# Altium PCB PowerBoardController.PcbDoc (part 2 of 2)
Units mil, origin at the board's own origin, x right, y up, seen from the top; angles counter-clockwise.
Board outline 4724.41 x 3149.61 mil, 4 copper layers (Top Layer, GND, 3.3V, Bottom Layer), stack 35.6 mil thick; 198 components, 165 nets, 695 pads, 168 vias.
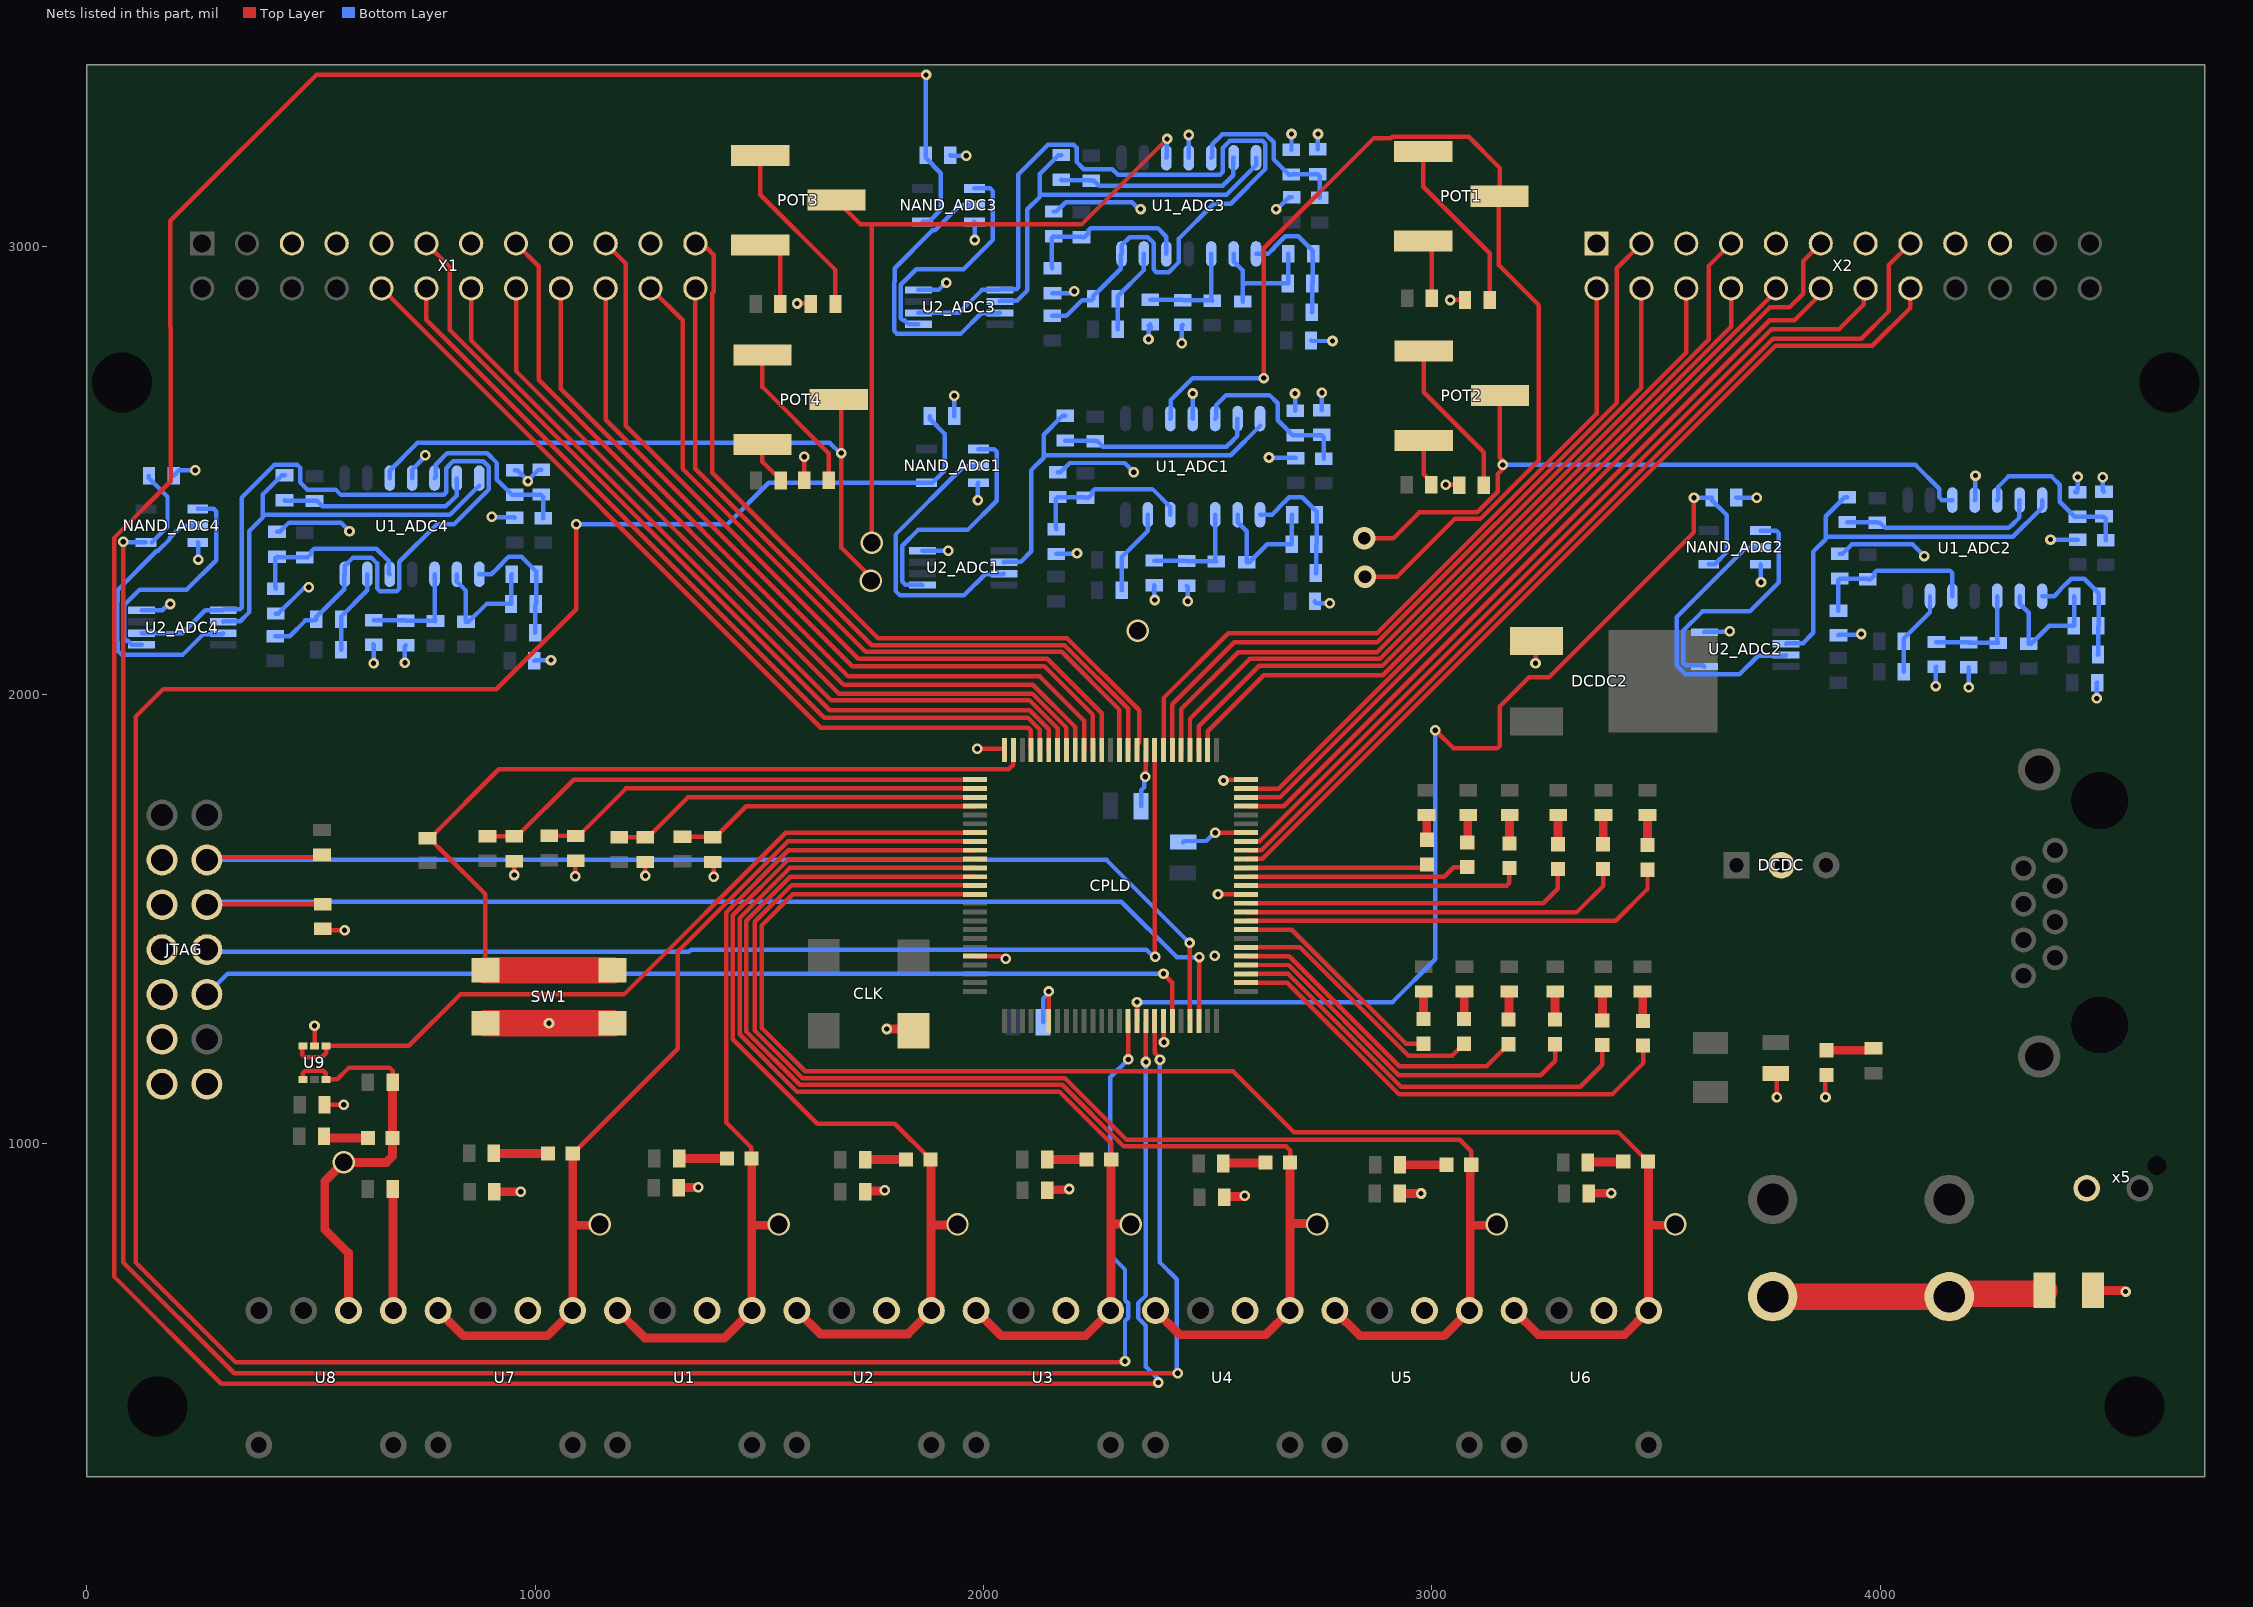
[diagram p4: the nets of this part, all layers, seen from the top]

## Via types
v1: diameter 23.62, hole 11.81, Top Layer to Bottom Layer, tented both sides, 115 vias
v2: diameter 23.62, hole 11.81, Top Layer to Bottom Layer, 38 vias
v3: diameter 50, hole 39.37, Top Layer to Bottom Layer, 11 vias
v4: diameter 50, hole 28, Top Layer to Bottom Layer, 2 vias
v5: diameter 120.08, hole 120.08, Top Layer to Bottom Layer, 2 vias

## Nets (pads, with @x,y where several pads share a name; then routed paths per layer and width w, separated by ;. In a path a pad name is that pad's centre, name@x,y a point inside that pad or via, vN(x,y) a via of type N, cw(c..) or ccw(c..) an arc to the next point about the centre after c; other vN are vias at no path point) (continued)
Comp_INA-_INB-_ADC3: R7_ADC3.1 R10_ADC3.2 U1_ADC3.7 U2_ADC3.2 U2_ADC3.5 | length 2018.9
  Bottom Layer w10: U2_ADC3.2@1854.76,2852.13 1945.45,2852.13 1996.63,2903.31 U2_ADC3.5@2036.76,2903.31 2038.65,2905.19 2074.09,2905.19 2078.06,2909.17 2078.06,3161.06 2143.91,3226.91 2200.97,3226.91 2207.94,3219.94 2207.94,3188.6 2223.84,3172.69 2287.3,3172.69 2299.34,3160.64 2528.21,3160.64 2534.06,3166.5 2534.06,3220.32 2549.34,3235.6 2622.83,3235.6 2628.69,3229.75 2628.69,3172.8 2551.27,3095.39 2513.43,3095.39 2436.02,3017.98 2436.02,2965.57 2413.45,2943 2385.61,2943 2379.75,2948.86 2379.75,3007.81 2366.53,3021.04 2325.97,3021.04 2307.94,3003.01 U1_ADC3.7@2307.94,2983.56 2306.48,2982.1 2306.48,2950.37 2254.12,2898.01 2253.13,2898.01 2244.35,2889.23 R7_ADC3.1@2244.35,2883.32 2241.77,2880.74 2220.06,2880.74 2185.06,2845.74 R10_ADC3.2@2153.06,2845.74
Comp_INA-_INB-_ADC4: R7_ADC4.1 R10_ADC4.2 U1_ADC4.7 U2_ADC4.2 U2_ADC4.5 | length 2012.4
  Bottom Layer w10: U2_ADC4.2@122.48,2137.56 213.17,2137.56 264.35,2188.74 U2_ADC4.5@304.48,2188.74 306.37,2190.63 341.81,2190.63 345.78,2194.6 345.78,2440.3 418.48,2513 469.8,2513 475.65,2507.14 475.65,2474.03 491.56,2458.12 555.01,2458.12 567.06,2446.08 795.92,2446.08 801.78,2451.93 801.78,2505.76 817.06,2521.04 884.25,2521.04 896.4,2508.88 896.4,2458.23 818.99,2380.82 781.15,2380.82 697,2296.67 697,2237.37 691.14,2231.51 654.04,2231.51 647.47,2238.08 647.47,2293.25 634.25,2306.47 593.68,2306.47 575.65,2288.44 U1_ADC4.7@575.65,2268.99 574.19,2267.53 574.19,2235.8 521.83,2183.44 520.85,2183.44 512.07,2174.66 R7_ADC4.1@512.07,2168.76 509.49,2166.17 487.78,2166.17 452.78,2131.17 R10_ADC4.2@420.78,2131.17
Comp_INB-_ADC1: R12_ADC1.1 U1_ADC1.14 U2_ADC1.6 | length 917.9
  Bottom Layer w10: U2_ADC1.6@2045.62,2296.02 2046.87,2297.27 2083.59,2297.27 2106.72,2320.4 2106.72,2501.59 2134.12,2528.99 2134.12,2534.35 ; R12_ADC1.1@2182.35,2622.5 2176.44,2622.5 2134.12,2580.17 2134.12,2534.35 ; U1_ADC1.14@2616.8,2599.92 2551.23,2534.35 2134.12,2534.35
Comp_INB-_ADC2: R12_ADC2.1 U1_ADC2.14 U2_ADC2.6 | length 934.3
  Bottom Layer w10: U2_ADC2.6@3789.93,2114.29 3791.18,2115.54 3827.9,2115.54 3851.03,2138.67 3851.03,2319.86 3878.43,2347.26 3878.43,2353.01 ; R12_ADC2.1@3926.65,2440.76 3920.75,2440.76 3878.43,2398.44 3878.43,2353.01 ; U1_ADC2.14@4361.1,2434.7 4361.1,2418.19 4295.92,2353.01 3878.43,2353.01
Comp_INB-_ADC3: R12_ADC3.1 U1_ADC3.14 U2_ADC3.6 | length 934.4
  Bottom Layer w10: U2_ADC3.6@2036.76,2877.72 2038.01,2878.96 2074.73,2878.96 2097.86,2902.09 2097.86,3083.29 2125.26,3110.68 2125.26,3116.04 ; R12_ADC3.1@2173.49,3204.19 2167.58,3204.19 2125.26,3161.87 2125.26,3116.04 ; U1_ADC3.14@2607.94,3198.12 2607.94,3181.61 2542.36,3116.04 2125.26,3116.04
Comp_INB-_ADC4: R12_ADC4.1 U1_ADC4.14 U2_ADC4.6 | length 918
  Bottom Layer w10: U2_ADC4.6@304.48,2163.15 305.73,2164.39 342.45,2164.39 362.05,2183.99 362.05,2365.19 392.98,2396.12 392.98,2401.34 ; R12_ADC4.1@441.2,2489.62 435.3,2489.62 392.98,2447.3 392.98,2401.34 ; U1_ADC4.14@875.65,2467.05 809.95,2401.34 392.98,2401.34
Comp_OutA_ADC1: NAND_ADC1.1 U2_ADC1.1 | length 532.7
  Bottom Layer w10: U2_ADC1.1@1863.62,2244.84 1862.22,2246.24 1825.81,2246.24 1819,2253.05 1819,2332.78 1854.09,2367.87 1964.46,2367.87 2029.92,2433.33 2029.92,2542.13 2024.06,2547.99 NAND_ADC1.1@1988.75,2547.99
Comp_OutA_ADC2: NAND_ADC2.1 U2_ADC2.1 | length 532.6
  Bottom Layer w10: U2_ADC2.1@3607.93,2063.11 3604.93,2066.11 3566.86,2066.11 3561,2071.97 3561,2143.59 3603.55,2186.14 3708.77,2186.14 3774.23,2251.6 3774.23,2360.4 3768.37,2366.26 NAND_ADC2.1@3733.06,2366.26
Comp_OutA_ADC3: NAND_ADC3.1 U2_ADC3.1 | length 518.3
  Bottom Layer w10: U2_ADC3.1@1854.76,2826.54 1832.76,2826.54 1824.11,2835.19 1821.06,2835.19 1815.83,2840.42 1815.83,2915.01 1850.38,2949.57 1955.61,2949.57 2021.06,3015.02 2021.06,3123.83 2015.21,3129.69 NAND_ADC3.1@1979.89,3129.69
Comp_OutA_ADC4: NAND_ADC4.1 U2_ADC4.1 | length 518.3
  Bottom Layer w10: U2_ADC4.1@122.48,2111.97 100.48,2111.97 91.83,2120.62 88.78,2120.62 83.54,2125.86 83.54,2200.44 118.1,2235 223.32,2235 288.78,2300.46 288.78,2409.26 282.92,2415.12 NAND_ADC4.1@247.61,2415.12
Comp_OutB_ADC1: NAND_ADC1.2 U2_ADC1.7 | length 639.6
  Bottom Layer w10: NAND_ADC1.2@1988.75,2510.59 1988.25,2510.09 1956.36,2510.09 1804,2357.73 1804,2231.91 1813.86,2222.05 1956.43,2222.05 2003.83,2269.45 2044.64,2269.45 U2_ADC1.7@2045.62,2270.43
Comp_OutB_ADC2: NAND_ADC2.2 U2_ADC2.7 | length 628.9
  Bottom Layer w10: NAND_ADC2.2@3733.06,2328.86 3732.55,2328.36 3700.67,2328.36 3546,2173.69 3546,2065.76 3565.58,2046.17 3686.17,2046.17 3727.72,2087.72 3788.95,2087.72 U2_ADC2.7@3789.93,2088.7
Comp_OutB_ADC3: NAND_ADC3.2 U2_ADC3.7 | length 634.1
  Bottom Layer w10: NAND_ADC3.2@1979.89,3092.28 1979.39,3091.78 1947.18,3091.78 1916.56,3061.16 1891.34,3035.95 1885.95,3035.95 1801.89,2951.89 1801.89,2922.29 1800.83,2921.22 1800.83,2811.86 1806.68,2806 1949.83,2806 1994.98,2851.14 2035.78,2851.14 U2_ADC3.7@2036.76,2852.13
Comp_OutB_ADC4: NAND_ADC4.2 U2_ADC4.7 | length 634.1
  Bottom Layer w10: NAND_ADC4.2@247.61,2377.72 247.1,2377.21 212.21,2377.21 185.64,2350.64 185.64,2347.95 159.06,2321.38 156.38,2321.38 69.61,2234.61 69.61,2207.72 68.54,2206.66 68.54,2119.64 69.61,2118.58 69.61,2098.14 77.75,2090 214.61,2090 259.48,2134.87 301.79,2134.87 U2_ADC4.7@304.48,2137.56
EN_In: CPLD.8 D7.2 U7.1 U7.4 | length 2070.4
  Top Layer w10: D7.2@1084,977 1317.87,1210.87 1317.87,1427.88 1563.23,1673.23 CPLD.8@1981.21,1673.23
  Top Layer w19.68: U7.4@783.7,626.92 839.76,570.87 1027.65,570.87 1083.85,627.07 1083.85,817 ; D7.2@1084,977 1083.85,976.85 1083.85,817 ; v3(1144.06,819.02) 1142.04,817 1083.85,817
EN_Out: CPLD.7 U9.1 U9.3 | length 1742.2
  Top Layer w10: U9.3@482.41,1217.4 483,1216.81 482,1215.81 483,1214.81 481.28,1214.81 481,1214.53 481,1197.86 486.86,1192 524,1192 534,1202 534,1216.99 U9.1@533.59,1217.4 718.4,1217.4 833,1332 1198.14,1332 1559.06,1692.91 CPLD.7@1981.21,1692.91
GD_FAULT_A1: CPLD.81 X2.03 | length 1750.2
  Top Layer w10: CPLD.81@2421.26,1877.05 2421.26,1979.33 2559.06,2117.13 2878.34,2117.13 3412.4,2651.19 3412.4,2951.85 X2.03@3467.44,3006.89
GD_FAULT_A2: CPLD.78 X2.07 | length 1782.5
  Top Layer w10: CPLD.78@2480.32,1877.05 2480.32,1930.12 2615.16,2064.96 2889.96,2064.96 3618.11,2793.11 3618.11,2957.56 X2.07@3667.44,3006.89
GD_FAULT_A3: CPLD.73 X2.11 | length 1835.9
  Top Layer w10: CPLD.73@2585.71,1771.65 2661.42,1771.65 3753.94,2864.17 3797.29,2864.17 3828.16,2895.04 3828.16,2967.61 X2.11@3867.44,3006.89
GD_FAULT_A4: CPLD.67 X2.15 | length 2102.6
  Top Layer w10: CPLD.67@2585.71,1653.54 2586.21,1654.04 2620.81,1654.04 3761.06,2794.29 3957.72,2794.29 4018.7,2855.27 4018.7,2958.15 X2.15@4067.44,3006.89
GD_FAULT_B1: CPLD.85 X1.23 | length 1802.5
  Top Layer w10: X1.23@1357.44,3006.89 1371.15,3006.89 1383.14,2994.9 1384.8,2994.9 1397.97,2981.73 1397.97,2899.09 1395.38,2896.49 1395.38,2495.62 1765,2126 2187,2126 2347.15,1965.85 2347.15,1893.68 2343.02,1893.68 2342.52,1893.18 CPLD.85@2342.52,1877.05
GD_FAULT_B2: CPLD.89 X1.19 | length 1834.7
  Top Layer w10: X1.19@1157.44,3006.89 1202,2962.33 1202,2600 1721,2081 2142,2081 2263.78,1959.22 CPLD.89@2263.78,1877.05
GD_FAULT_B3: CPLD.92 X1.15 | length 1893.7
  Top Layer w10: X1.15@957.44,3006.89 1008,2956.33 1008,2703 1688,2023 2110.01,2023 2204.72,1928.28 CPLD.92@2204.72,1877.05
GD_FAULT_B4: CPLD.95 X1.11 | length 1966.3
  Top Layer w10: X1.11@757.44,3006.89 810,2954.33 810,2813 1657,1966 2103.37,1966 2145.67,1923.7 CPLD.95@2145.67,1877.05
GD_GATE_A1: CPLD.82 X2.02 | length 1624.1
  Top Layer w10: CPLD.82@2401.57,1877.05 2401.57,1993.11 2546.26,2137.8 2877.8,2137.8 3367.44,2627.44 X2.02@3367.44,2906.89
GD_GATE_A2: CPLD.79 X2.06 | length 1658.2
  Top Layer w10: CPLD.79@2460.63,1877.05 2460.63,1946.85 2594.25,2080.47 2884.26,2080.47 3567.44,2763.65 X2.06@3567.44,2906.89
GD_GATE_A3: CPLD.74 X2.10 | length 1648.2
  Top Layer w10: CPLD.74@2585.71,1791.34 2586.21,1790.84 2658.26,1790.84 3767.44,2900.01 X2.10@3767.44,2906.89
GD_GATE_A4: CPLD.68 X2.14 | length 1911.5
  Top Layer w10: CPLD.68@2585.71,1673.23 2586.21,1673.73 2615.73,1673.73 3757.94,2815.94 3908.46,2815.94 3963.75,2871.23 3963.75,2903.2 X2.14@3967.44,2906.89
GD_GATE_B1: CPLD.87 X1.22 | length 1719.3
  Top Layer w10: X1.22@1257.44,2906.89 1329,2835.33 1329,2504 1737,2096 2174.57,2096 2303.15,1967.42 CPLD.87@2303.15,1877.05
GD_GATE_B2: CPLD.91 X1.18 | length 1763.3
  Top Layer w10: X1.18@1057.44,2906.89 1057.44,2682.56 1698,2042 2125,2042 2224.41,1942.59 CPLD.91@2224.41,1877.05
GD_GATE_B3: CPLD.94 X1.14 | length 1830.9
  Top Layer w10: X1.14@857.44,2906.89 857.44,2790.56 1660,1988 2102.58,1988 2165.35,1925.23 CPLD.94@2165.35,1877.05
GD_GATE_B4: CPLD.97 X1.10 | length 1901
  Top Layer w10: X1.10@657.44,2906.89 1637.33,1927 2099.94,1927 2105.8,1921.14 2105.8,1877.55 CPLD.97@2106.3,1877.05
GD_READY_A1: CPLD.80 X2.04 | length 1636.6
  Top Layer w10: CPLD.80@2440.94,1877.05 2440.94,1968.5 2567.91,2095.47 2877.9,2095.47 3467.44,2685.01 X2.04@3467.44,2906.89
GD_READY_A2: CPLD.77 X2.08 | length 1668.9
  Top Layer w10: CPLD.77@2500,1877.05 2500,1919.29 2624.84,2044.13 2890.35,2044.13 3667.44,2821.23 X2.08@3667.44,2906.89
GD_READY_A3: CPLD.72 X2.12 | length 1767.7
  Top Layer w10: CPLD.72@2585.71,1751.97 2669.97,1751.97 3753.63,2835.63 3809.06,2835.63 3854.2,2880.78 3854.2,2881.76 3867.44,2895 X2.12@3867.44,2906.89
GD_READY_A4: CPLD.66 X2.16 | length 2034.4
  Top Layer w10: CPLD.66@2585.71,1633.86 2586.21,1634.36 2622.36,1634.36 3766.54,2778.54 3982.36,2778.54 4067.44,2863.63 X2.16@4067.44,2906.89
GD_READY_B1: CPLD.86 X1.24 | length 1681.5
  Top Layer w10: X1.24@1357.44,2906.89 1357.44,2504.56 1751,2111 2180.79,2111 2322.83,1968.95 CPLD.86@2322.83,1877.05
GD_READY_B2: CPLD.90 X1.20 | length 1731.2
  Top Layer w10: X1.20@1157.44,2906.89 1157.44,2613.56 1707,2064 2136,2064 2244.09,1955.91 CPLD.90@2244.09,1877.05
GD_READY_B3: CPLD.93 X1.16 | length 1791.3
  Top Layer w10: X1.16@957.44,2906.89 957.44,2722.56 1677,2003 2108.79,2003 2185.04,1926.75 CPLD.93@2185.04,1877.05
GD_READY_B4: CPLD.96 X1.12 | length 1862.7
  Top Layer w10: X1.12@757.44,2906.89 757.44,2836.56 1645,1949 2099.15,1949 2125.98,1922.17 CPLD.96@2125.98,1877.05
GND: C1.2 C1_ADC1.2 C1_ADC2.2 C1_ADC3.2 C1_ADC4.2 C2.2 C3.2 C3_ADC1.2 C3_ADC2.2 C3_ADC3.2 C3_ADC4.2 C4.2 C4_ADC1.2 C4_ADC2.2 C4_ADC3.2 C4_ADC4.2 C5.2 C5_ADC1.2 C5_ADC2.2 C5_ADC3.2 C5_ADC4.2 C6.2 C6_ADC1.2 C6_ADC2.2 C6_ADC3.2 C6_ADC4.2 C7.2 C8.2 C9.2 C10.2 C11.2 C12.2 CLK.2 CPLD.21 CPLD.31 CPLD.44 CPLD.62 CPLD.69 CPLD.75 CPLD.84 CPLD.100 D9.2 DCDC2.1 DCDC.2 FB2.2 JTAG.3 JTAG.5 JTAG.7 JTAG.9 JTAG.11 NAND_ADC1.3 NAND_ADC2.3 NAND_ADC3.3 NAND_ADC4.3 R3_ADC1.2 R3_ADC2.2 R3_ADC3.2 R3_ADC4.2 R9_ADC1.1 R9_ADC2.1 R9_ADC3.1 R9_ADC4.1 R14_ADC1.1 R14_ADC2.1 R14_ADC3.1 R14_ADC4.1 R15_ADC1.1 R15_ADC2.1 R15_ADC3.1 R15_ADC4.1 R26.1 R28.1 R30.1 R32.1 R34.1 R36.1 R38.1 R40.1 R42.1 SW1.1 U1.2 U1_ADC1.11 U1_ADC2.11 U1_ADC3.11 U1_ADC4.11 U2.2 U2_ADC1.4 U2_ADC2.4 U2_ADC3.4 U2_ADC4.4 U3.2 U4.2 U5.2 U6.2 U7.2 U9.2 X1.05 X1.07 X1.09 X1.13 X1.17 X1.21 X2.01 X2.05 X2.09 X2.13 X2.17 X2.19 | length 4908
  Top Layer w10: U9.2@508,1217.4 v1(508,1262) ; R42.1@526.57,1478.35 523.62,1475.39 524.02,1475 v1(575,1475) ; C8.2@530.12,1086 v1(573,1086) ; v2(953.74,1598.43) 953.74,1629.26 R30.1@953.84,1629.36 ; v2(1089.57,1595.47) 1089.57,1629.09 R32.1@1090.84,1630.36 ; R26.1@1245.84,1627.36 1246.06,1627.14 v2(1246.06,1596.46) ; R28.1@1395.84,1627.48 1398.62,1624.7 v2(1398.62,1594.49) ; v1(1584.25,2873.03) 1613.78,2873.03 R38.1@1614.76,2872.05 ; R40.1@1600.03,2479.15 v1(1600,2531) ; CPLD.21@1981.21,1417.32 2039.92,1417.32 2045.99,1411.25 v2(2049.68,1411.25) ; v2(1986.22,1879.92) 2046.74,1879.92 2047.24,1879.42 CPLD.100@2047.24,1877.05 ; CPLD.31@2145.67,1272.55 v2(2145.67,1338.67) ; v2(2361.14,1817.2) 2361.7,1817.77 2361.7,1876.55 CPLD.84@2362.2,1877.05 ; CPLD.44@2401.57,1272.55 2402.07,1272.05 2402.07,1225.96 v2(2402.64,1225.39) ; v2(2517.09,1692.91) CPLD.69@2585.71,1692.91 ; v2(2523.12,1555.12) CPLD.62@2585.71,1555.12 ; v2(2535.43,1809.06) 2536.9,1810.52 2585.21,1810.52 CPLD.75@2585.71,1811.02 ; v1(3031,2469) 3059.88,2469 R36.1@3060.88,2468 ; v1(3041.34,2880.91) R34.1@3073.82,2880.91 ; DCDC2.1@3213.33,2120.51 3231.3,2102.54 v1(3231.3,2070.87) ; C9.2@3767.42,1155.87 3769.68,1153.6 v1(3769.68,1102.36) ; v1(3877.95,1102.36) 3877.95,1149.69 D9.2@3880.63,1152.37
  Top Layer w19.68: C7.2@909,892 v1(968,892) ; C1.2@1320.12,901 1320.62,901.5 1363.5,901.5 v1(1364,902) ; C2.2@1736,892 1737.5,893.5 1778.5,893.5 v1(1780,895) ; v1(1784.45,1254.92) 1839.76,1254.92 CLK.2@1843.7,1250.98 ; C3.2@2142.12,895 2143.62,896.5 2189.5,896.5 v1(2191,898) ; C4.2@2537,880 2538.5,881.5 2581.5,881.5 v1(2583,883) ; C5.2@2928.12,888 v1(2976,888) v1@2974,890 ; C6.2@3350,888 3350.5,888.5 3399.5,888.5 v1(3400,889) ; FB2.2@4474.98,671.92 4543.55,671.92 4546.18,669.29 v1(4547.24,669.29)
  Top Layer w59.06: SW1.1@889.27,1267.94 v1(1031,1267.94) SW1.1@1172.73,1267.94
  Bottom Layer w10: U2_ADC4.4@122.48,2188.74 168.32,2188.74 182.34,2202.76 v1(186.02,2202.76) ; R15_ADC4.1@193.9,2489.17 205.71,2500.98 v1(242.13,2500.98) ; NAND_ADC4.3@247.61,2340.32 248.46,2339.46 v1(248.46,2301.93) ; C4_ADC4.2@421.52,2181.55 427.42,2181.55 483.42,2237.55 492.47,2237.55 v1(495.08,2240.16) ; R9_ADC4.1@424.47,2363.64 430.38,2363.64 451.13,2384.39 566.6,2384.39 v1(586.06,2364.92) ; C1_ADC4.2@638.78,2113.19 C1_ADC4.2@639.76,2112.2 ; v1(639.76,2070.87) C1_ADC4.2@639.76,2112.2 ; C1_ADC4.2@640.02,2111.67 640.02,2111.94 C1_ADC4.2@639.76,2112.2 ; v1(709.65,2071.85) 709.65,2108.46 R3_ADC4.2@711.87,2110.68 ; U1_ADC4.11@725.65,2483.56 725.65,2502.74 754.92,2532 v1(754.92,2534.45) ; v1(903.54,2397.64) 904.8,2396.39 954.01,2396.39 954.98,2395.41 C6_ADC4.2@954.98,2395.13 ; R14_ADC4.1@954.52,2501.22 960.42,2501.22 984,2477.65 v1(984,2477) 988.72,2481.72 988.72,2483.25 1007.67,2502.2 C5_ADC4.2@1013.58,2502.2 ; C3_ADC4.2@998.29,2075.91 1000.13,2077.76 v1(1035.43,2077.76) ; U2_ADC3.4@1854.76,2903.31 1899.76,2903.31 1915.75,2919.29 v2(1917.32,2919.29) ; U2_ADC1.4@1863.62,2321.61 1863.74,2321.73 1921.14,2321.73 v1(1921.26,2321.85) ; R15_ADC3.1@1926.18,3203.74 1927.17,3202.76 v1(1961.61,3202.76) ; R15_ADC1.1@1935.04,2622.05 v1(1935.04,2667.32) ; NAND_ADC3.3@1979.89,3054.88 1980.28,3054.49 v1(1980.28,3014.66) ; v1(1987.67,2433.96) 1987.67,2472.11 NAND_ADC1.3@1988.75,2473.19 ; C12.2@2132.87,1269.68 2132.87,1322.19 2145.67,1334.98 v2(2145.67,1338.67) ; C4_ADC3.2@2153.8,2896.12 2194.6,2896.12 2199.07,2900.59 v1(2202.76,2900.59) ; R9_ADC3.1@2156.76,3078.2 2162.66,3078.2 2183.41,3098.95 2331.28,3098.95 2346.68,3083.56 v1(2350.36,3083.56) ; C4_ADC1.2@2162.66,2314.43 2163.42,2315.18 2207.9,2315.18 v1(2208.66,2315.94) ; R9_ADC1.1@2165.61,2496.51 2171.52,2496.51 2192.27,2517.26 2314.8,2517.26 v1(2335.11,2496.95) ; C11.2@2351.38,1751.97 2351.38,1787.4 2358.54,1794.56 2358.54,1814.6 v2(2361.14,1817.2) ; v1(2368.11,2793.31) 2368.11,2812.99 2374.02,2818.9 2369.09,2823.82 2371.51,2826.24 C1_ADC3.2@2372.31,2826.24 ; C1_ADC1.2@2381.17,2244.54 2381.17,2213.32 2381.89,2212.6 v1(2381.89,2211.61) ; v1(2441.93,2784.45) 2441.93,2823.02 R3_ADC3.2@2444.16,2825.25 ; C10.2@2445.67,1671.85 2448.03,1674.21 2497.05,1674.21 2515.75,1692.91 v2(2517.09,1692.91) ; R3_ADC1.2@2453.02,2243.56 2455.71,2240.87 v1(2455.71,2208.66) ; v1(2457.68,3248.78) 2457.81,3248.65 2457.81,3198.25 U1_ADC3.11@2457.94,3198.12 ; v1(2466.54,2672.24) 2466.67,2672.11 2466.67,2616.56 U1_ADC1.11@2466.8,2616.43 ; v1(2636.81,2529.53) 2637.57,2528.77 2695.37,2528.77 C6_ADC1.2@2696.13,2528.01 ; v1(2652.56,3083.66) 2655.32,3083.66 2681.36,3109.7 C6_ADC3.2@2687.27,3109.7 ; R14_ADC3.1@2686.8,3215.79 2687.01,3215.99 v1(2687.01,3250.98) ; v1(2694.88,2672.24) 2694.88,2634.87 R14_ADC1.1@2695.66,2634.09 ; C3_ADC3.2@2730.57,2790.48 2731.69,2789.37 v1(2778.54,2789.37) ; C3_ADC1.2@2739.43,2208.79 2739.43,2207.94 2739.17,2207.68 2742.13,2204.72 v1(2772.64,2204.72) ; C5_ADC3.2@2745.86,3216.77 2746.06,3216.98 v1(2746.06,3250.98) ; C5_ADC1.2@2754.72,2635.08 2754.92,2635.28 v1(2754.92,2674.21) ; U2_ADC2.4@3607.93,2139.88 3608.85,2140.81 3663.45,2140.81 v1(3664.37,2141.73) ; R15_ADC2.1@3679.35,2440.32 3679.7,2439.96 v1(3724.41,2439.96) ; NAND_ADC2.3@3733.06,2291.46 3734.13,2290.38 v1(3734.13,2251.63) ; C4_ADC2.2@3906.97,2132.69 3908.54,2134.26 3956.11,2134.26 v1(3957.68,2135.83) ; R9_ADC2.1@3909.92,2314.78 3915.83,2314.78 3936.58,2335.53 4072.48,2335.53 v1(4098.31,2309.7) ; v1(4124.02,2019.68) 4124.02,2061.35 C1_ADC2.2@4125.47,2062.81 ; R3_ADC2.2@4197.32,2061.83 4197.83,2061.32 v1(4197.83,2016.73) ; U1_ADC2.11@4211.1,2434.7 4211.85,2435.45 4211.85,2488.43 v1(4212.6,2489.17) ; v1(4379.92,2346.46) 4380.01,2346.37 4440.34,2346.37 C6_ADC2.2@4440.43,2346.28 ; R14_ADC2.1@4439.97,2452.36 4435.43,2452.36 4435.04,2452.76 4440.94,2458.66 v1(4440.94,2486.22) ; v1(4483.27,1992.13) 4483.5,1992.36 4483.5,2026.82 C3_ADC2.2@4483.74,2027.06 ; v1(4496.06,2485.24) 4496.06,2456.31 C5_ADC2.2@4499.02,2453.35
  other v2: 2515.75,1418.31
  other v3: 2344,2143
GND_EXT: FB2.1 X3.2 X4.2 x5.2 | length 615.8
  Top Layer w59.06: X3.2@3760.32,657.92 X4.2@4154.02,657.92 4161.02,664.92 4361.39,664.92 4366.31,669.84 FB2.1@4366.31,671.92 FB2.1@4364.31,673.92
GTS1: CPLD.3 R25.1 R26.2 | length 830.3
  Top Layer w10: R25.1@1187.84,1682.48 R26.2@1245.84,1682.48 1251.75,1682.48 1340.92,1771.65 CPLD.3@1981.21,1771.65
GTS2: CPLD.4 R27.1 R28.2 | length 681.7
  Top Layer w10: R27.1@1328.84,1684.02 1329.56,1683.31 1395.13,1683.31 R28.2@1395.84,1682.6 1401.75,1682.6 1471.12,1751.97 CPLD.4@1981.21,1751.97
GTS3: CPLD.1 R29.1 R30.2 | length 1140
  Top Layer w10: R29.1@893.84,1685.02 894.11,1684.75 953.57,1684.75 R30.2@953.84,1684.48 959.75,1684.48 1086.29,1811.02 CPLD.1@1981.21,1811.02
GTS4: CPLD.2 R31.1 R32.2 | length 993.4
  Top Layer w10: R31.1@1031.84,1686.02 1032.11,1685.75 1090.57,1685.75 R32.2@1090.84,1685.48 1096.75,1685.48 1202.61,1791.34 CPLD.2@1981.21,1791.34
HALT: JTAG.14